# Altium PCB RSD_M1_HELMET_UNIT_POWER_V2.PcbDoc (part 1 of 2)
Units mm, origin at the board's own origin, x right, y up, seen from the top; angles counter-clockwise.
Board outline 79.69 x 55.21 mm, 4 copper layers (Top Layer, GND, PWR, Bottom Layer), stack 1.643 mm thick; 112 components, 159 nets, 336 pads, 183 vias.
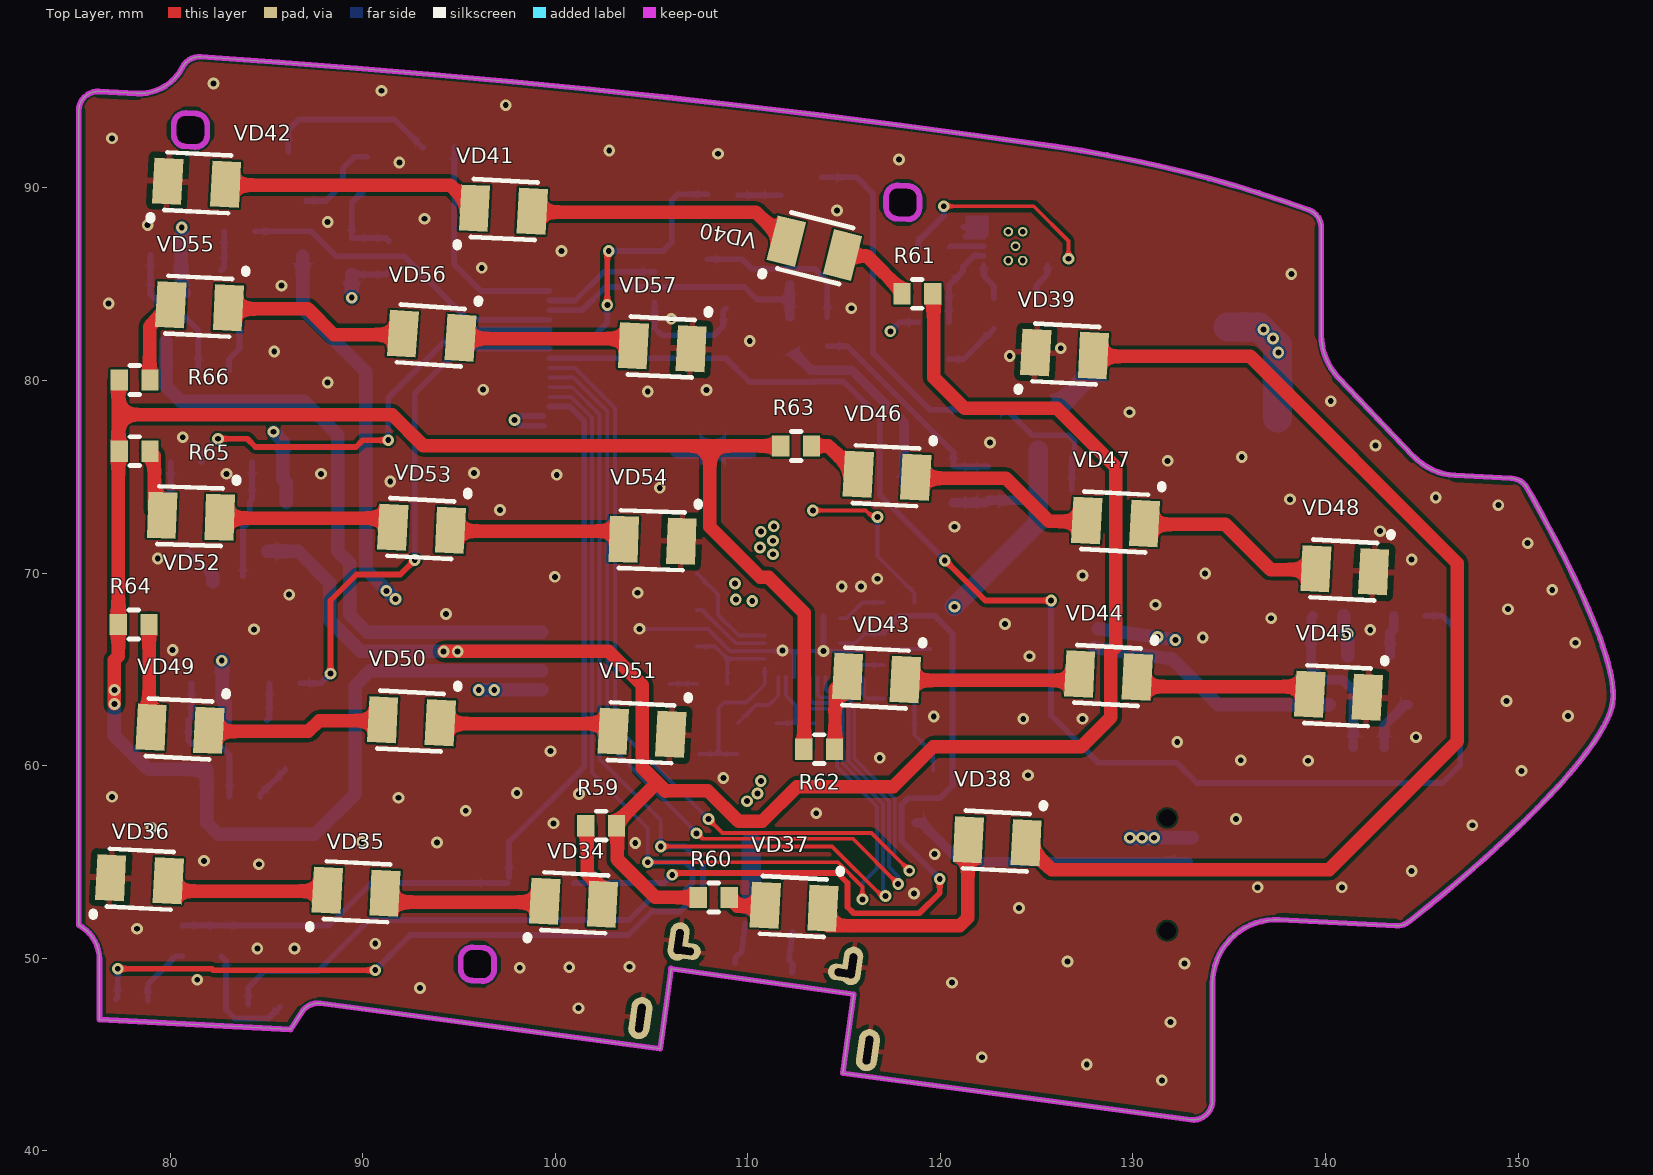
[diagram p0: Top Layer view]
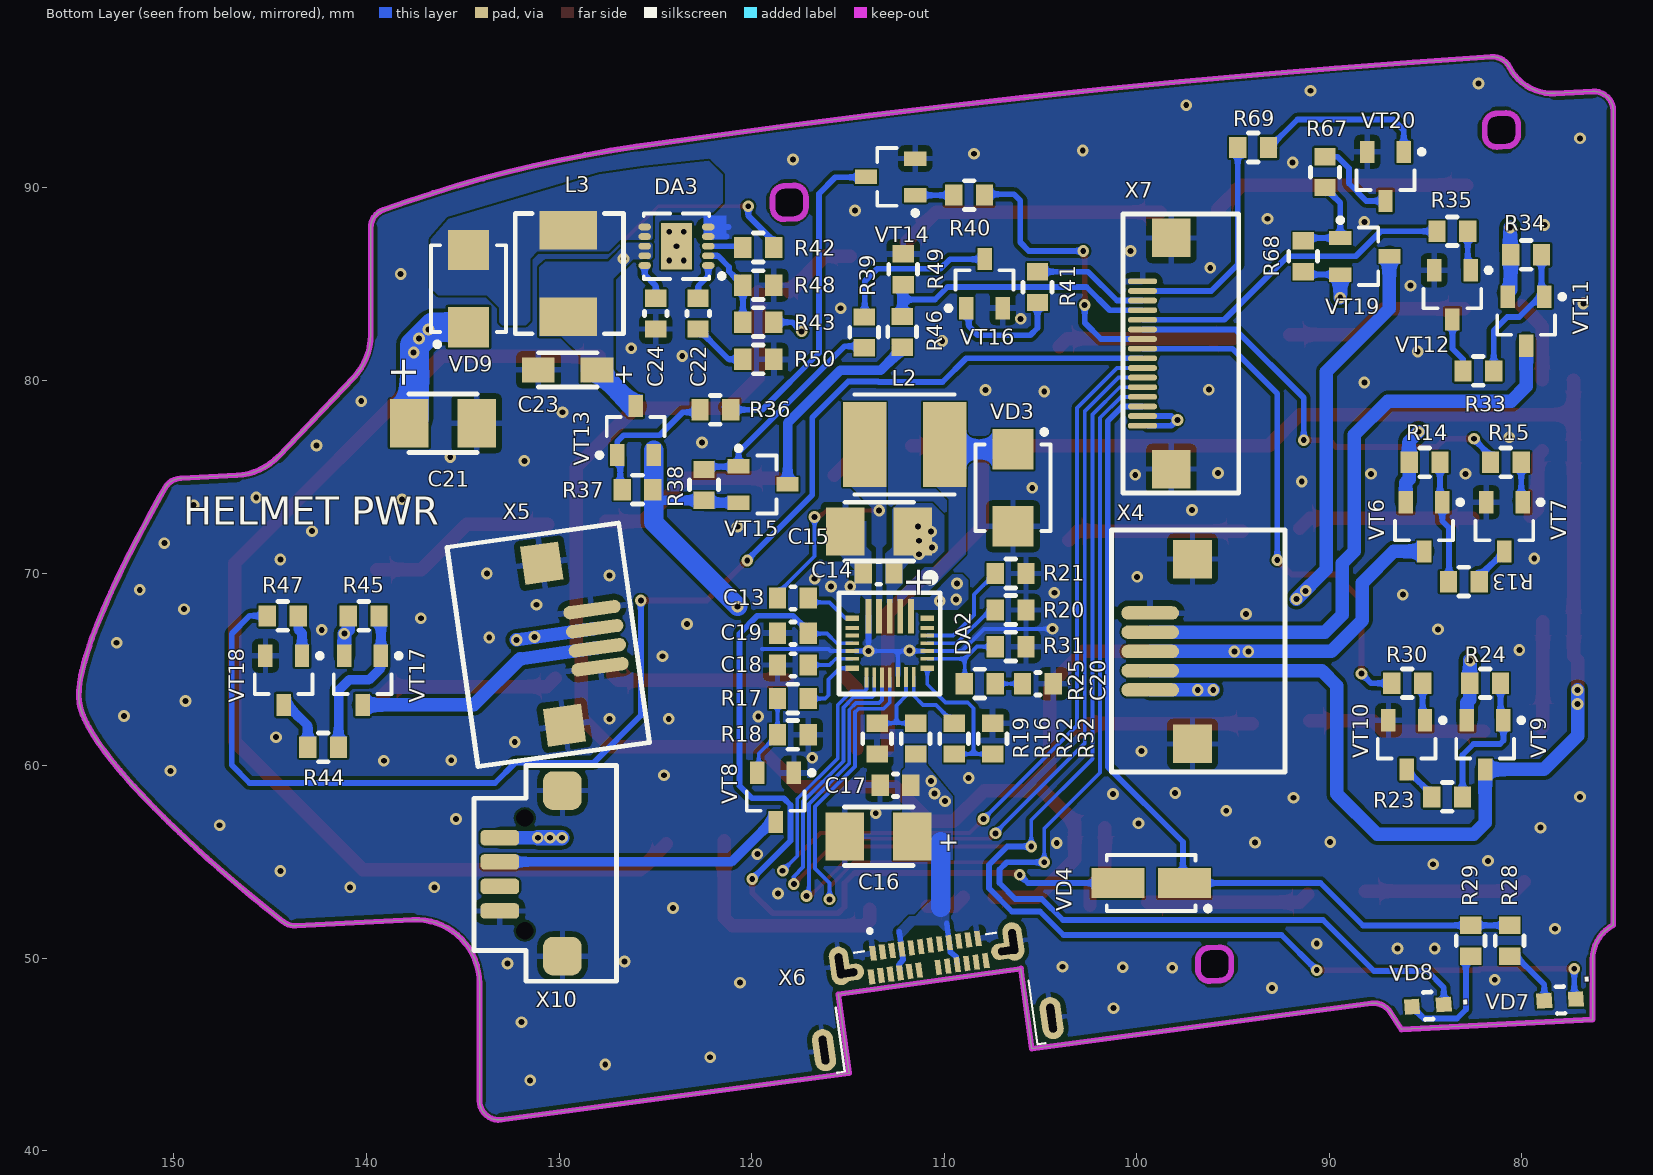
[diagram p1: Bottom Layer view, seen from below]
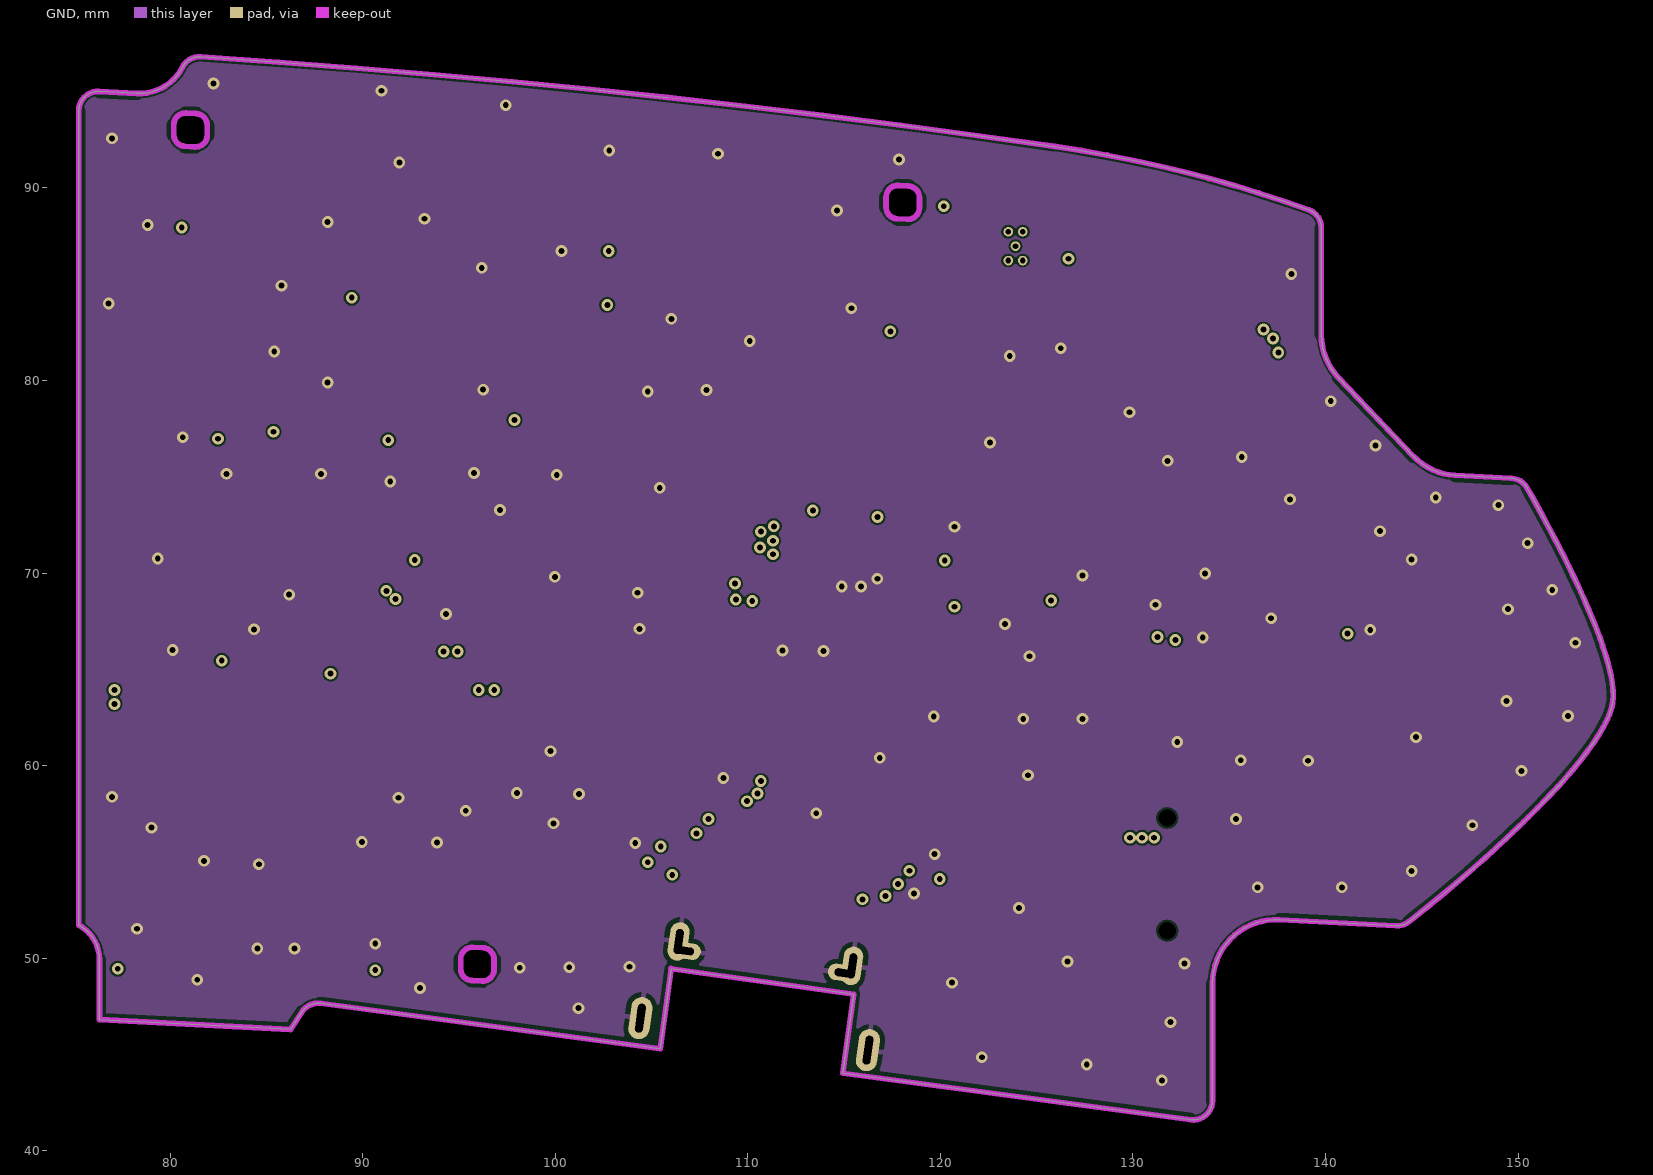
[diagram p2: GND]
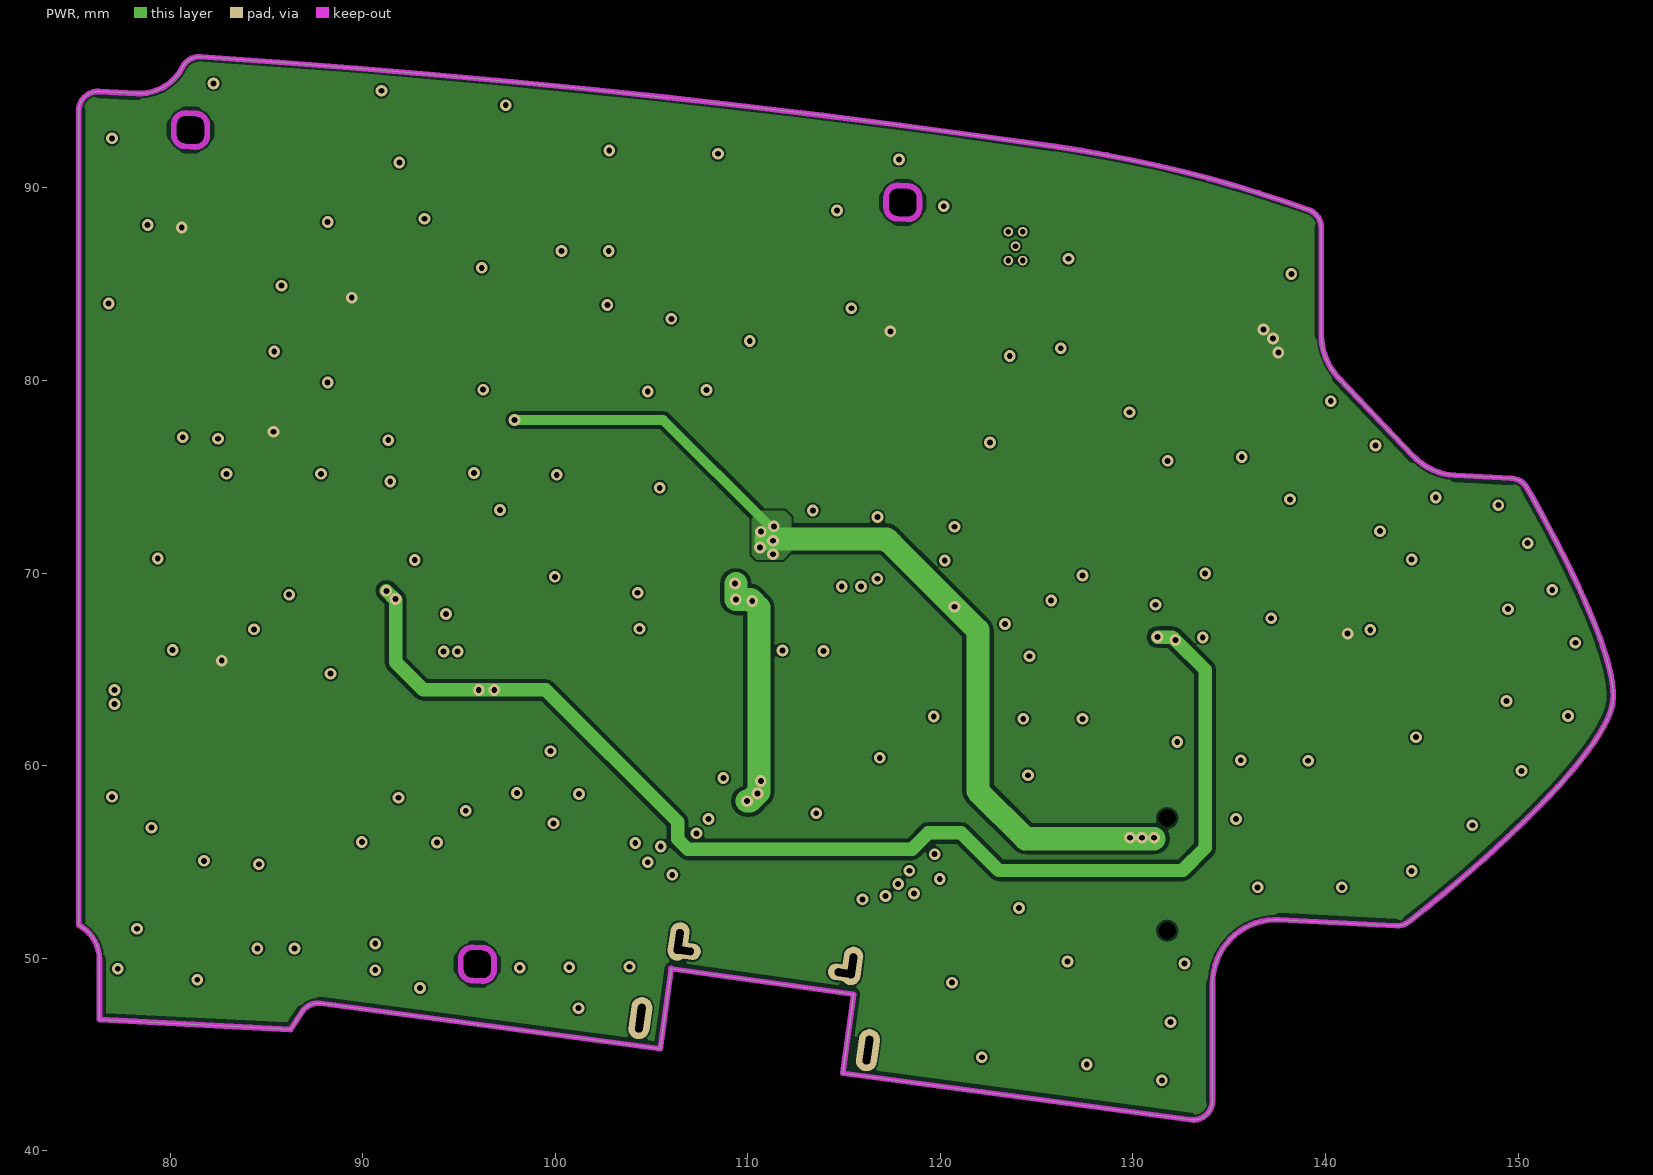
[diagram p3: PWR]
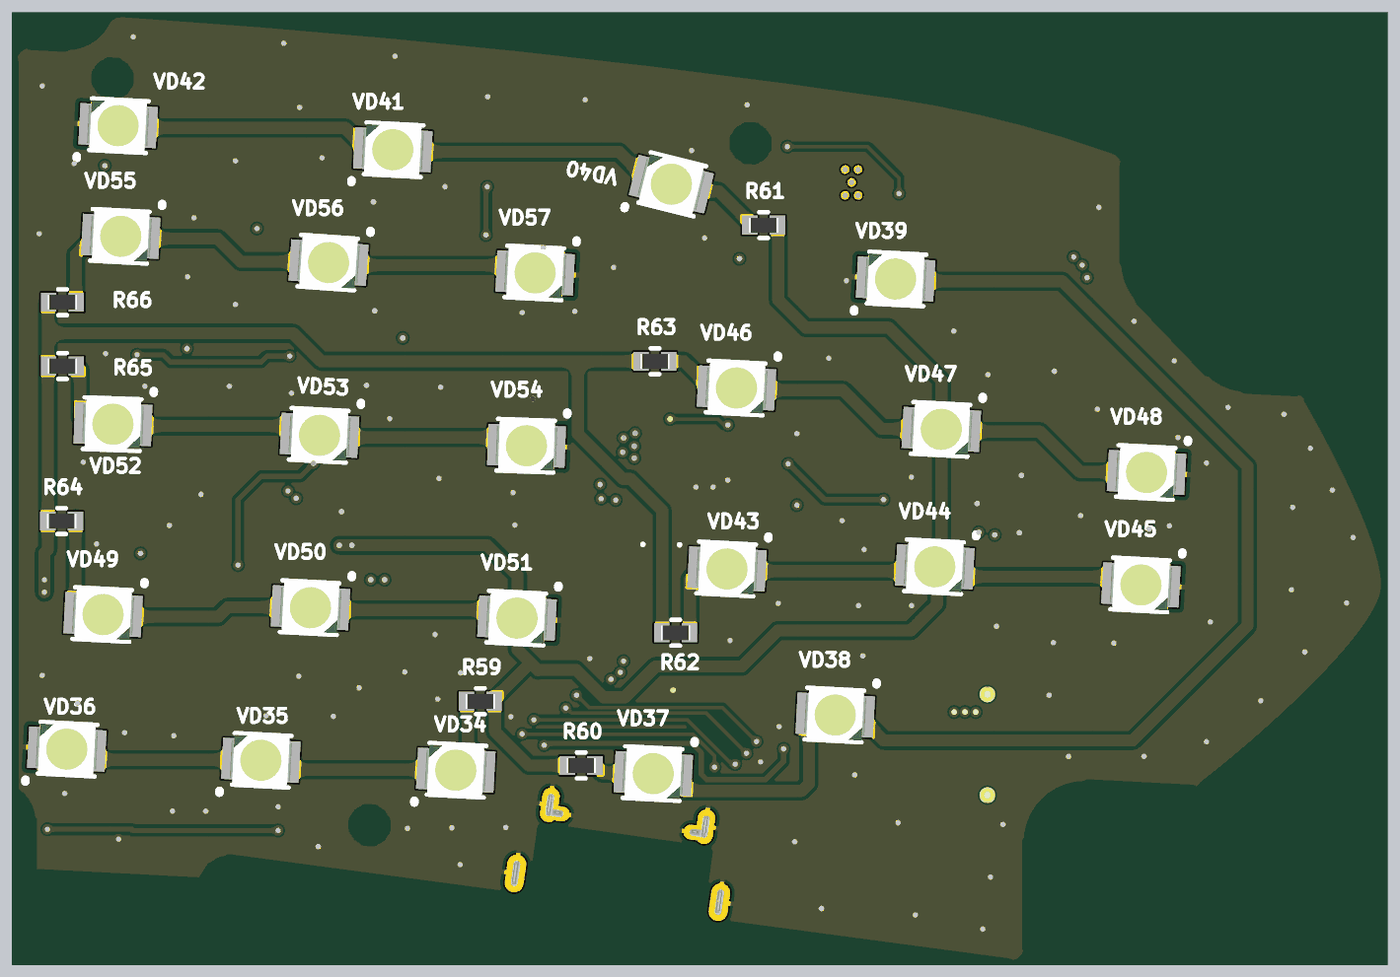
[diagram p5: 3D render of the assembled board from above, using the file's embedded part models]
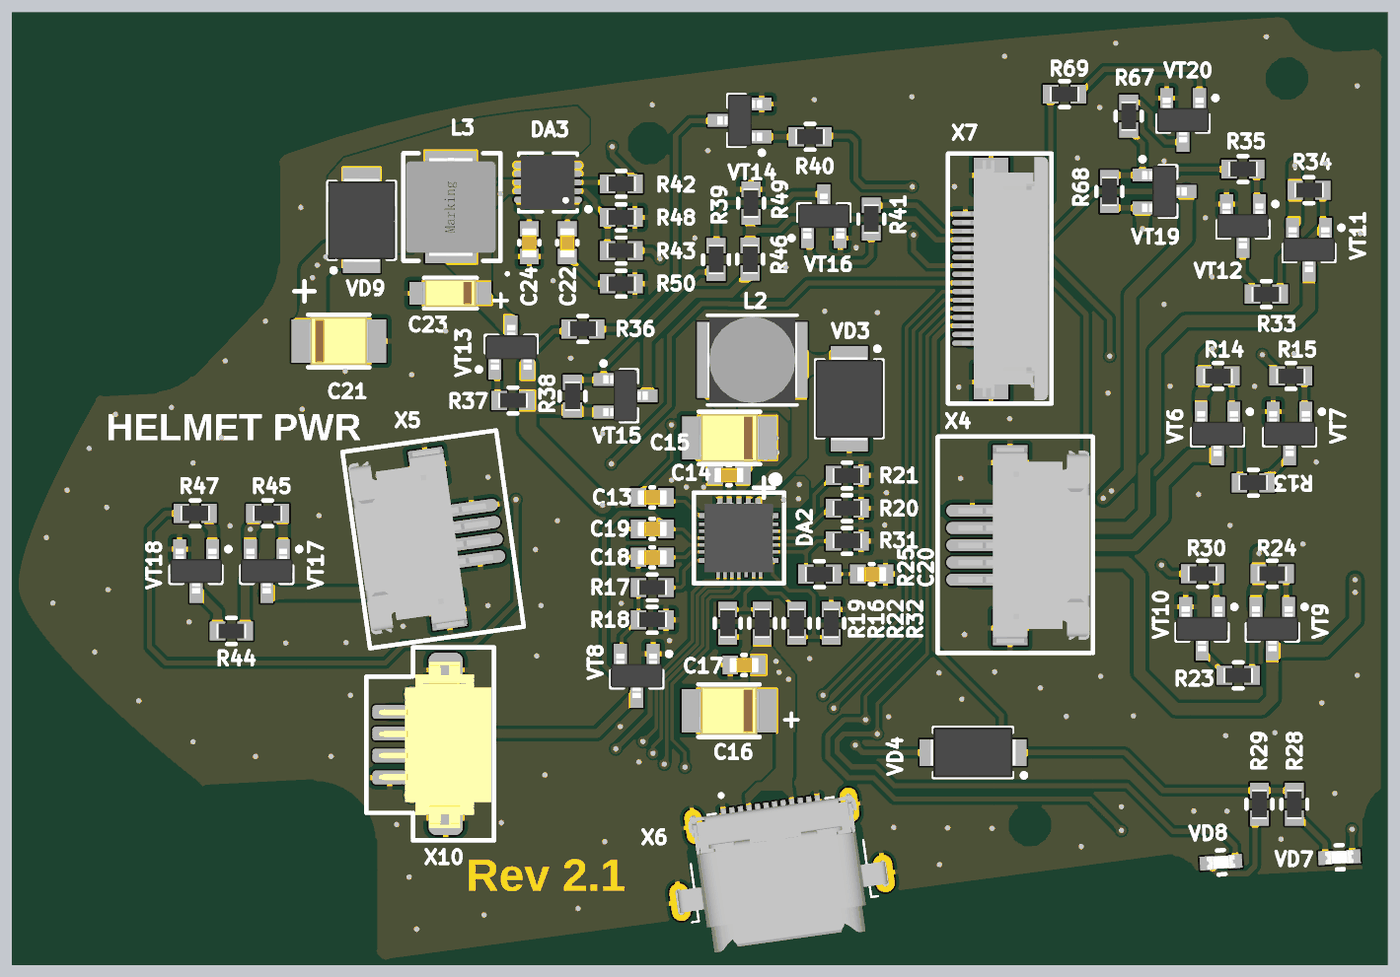
[diagram p6: 3D render of the assembled board from below, using the file's embedded part models]

## Layer stack, top to bottom
Top Solder: solder mask 0.0102, Solder Resist, Dk 3.5
Top Layer: signal copper 0.0356
Dielectric 1: core 0.5, FR-4, Dk 4.2
GND: signal copper 0.036
Dielectric 3: prepreg 0.5, Dk 4.2
PWR: signal copper 0.036
Dielectric 2: core 0.5, Dk 4.2
Bottom Layer: signal copper 0.0356
Bottom Solder: solder mask 0.0102, Solder Resist, Dk 3.5

## Board outline
76.324,46.807 86.245,46.294 86.835,47.202 cw(c87.674,46.658) 87.806,47.65 105.445,45.291 106.014,49.453 115.494,48.118 114.934,44.022 132.997,41.606 ccw(c133.13,42.597) 134.13,42.597 134.13,48.696 cw(c137.43,48.696) 137.6,51.991 143.658,51.678 ccw(c143.71,52.677) 144.33,51.892 144.88,52.327 145.455,52.786 146.022,53.25 146.585,53.72 147.143,54.196 147.698,54.678 148.278,55.195 148.854,55.718 149.426,56.25 149.718,56.526 150.009,56.805 150.28,57.068 150.549,57.332 151.005,57.789 151.454,58.25 151.676,58.484 151.895,58.718 152.109,58.95 152.319,59.184 152.646,59.556 152.806,59.742 152.963,59.93 153.117,60.117 153.268,60.305 153.415,60.492 153.558,60.679 153.779,60.982 153.885,61.132 153.987,61.281 154.083,61.426 154.175,61.569 154.312,61.794 154.437,62.013 154.548,62.223 154.644,62.424 154.726,62.615 154.788,62.78 154.839,62.937 154.878,63.088 154.907,63.235 154.923,63.343 154.934,63.453 154.94,63.566 154.941,63.684 154.936,63.865 154.921,64.06 154.896,64.268 154.863,64.478 154.822,64.699 154.771,64.929 154.713,65.168 154.668,65.337 154.62,65.508 154.565,65.693 154.507,65.88 154.385,66.249 154.26,66.606 154.125,66.966 153.984,67.33 153.835,67.696 153.652,68.131 153.462,68.568 153.265,69.006 153.121,69.319 152.975,69.632 152.81,69.979 152.642,70.325 152.315,70.984 151.982,71.639 151.641,72.29 151.335,72.861 151.024,73.429 150.709,73.993 150.465,74.421 ccw(c149.598,73.923) 149.65,74.921 146.725,75.072 cw(c146.891,78.268) 144.574,76.06 140.665,80.162 cw(c142.981,82.37) 139.781,82.37 139.781,87.926 ccw(c138.781,87.926) 139.119,88.868 139.119,88.867 ccw(c116.263,25.265) 125.972,92.148 125.972,92.147 ccw(c44.057,-473.977) 81.588,96.811 81.588,96.81 ccw(c81.523,95.812) 80.632,96.268 cw(c78.406,97.406) 78.277,94.909 76.302,95.011 ccw(c76.25,94.012) 75.25,94.012 75.25,51.71 cw(c74.324,49.937) 76.324,49.937
cut-out: 95.085,49.433 ccw(c95.685,49.433) 95.654,48.834 96.187,48.806 ccw(c96.218,49.405) 96.818,49.405 96.818,49.934 ccw(c96.218,49.934) 96.249,50.534 95.716,50.561 ccw(c95.685,49.962) 95.085,49.962
cut-out: 80.754,92.159 cw(c80.785,92.759) 80.185,92.759 80.185,93.288 cw(c80.785,93.288) 80.816,93.887 81.349,93.859 cw(c81.318,93.26) 81.918,93.26 81.918,92.731 cw(c81.318,92.731) 81.287,92.132 81.288,92.132
cut-out: 117.178,88.997 ccw(c117.778,88.997) 117.747,88.398 118.28,88.37 ccw(c118.311,88.97) 118.911,88.97 118.911,89.499 ccw(c118.311,89.499) 118.342,90.098 117.809,90.125 ccw(c117.778,89.526) 117.178,89.526
